# EAGLE board working (EAGLE 7.5.0), part 7 of 8
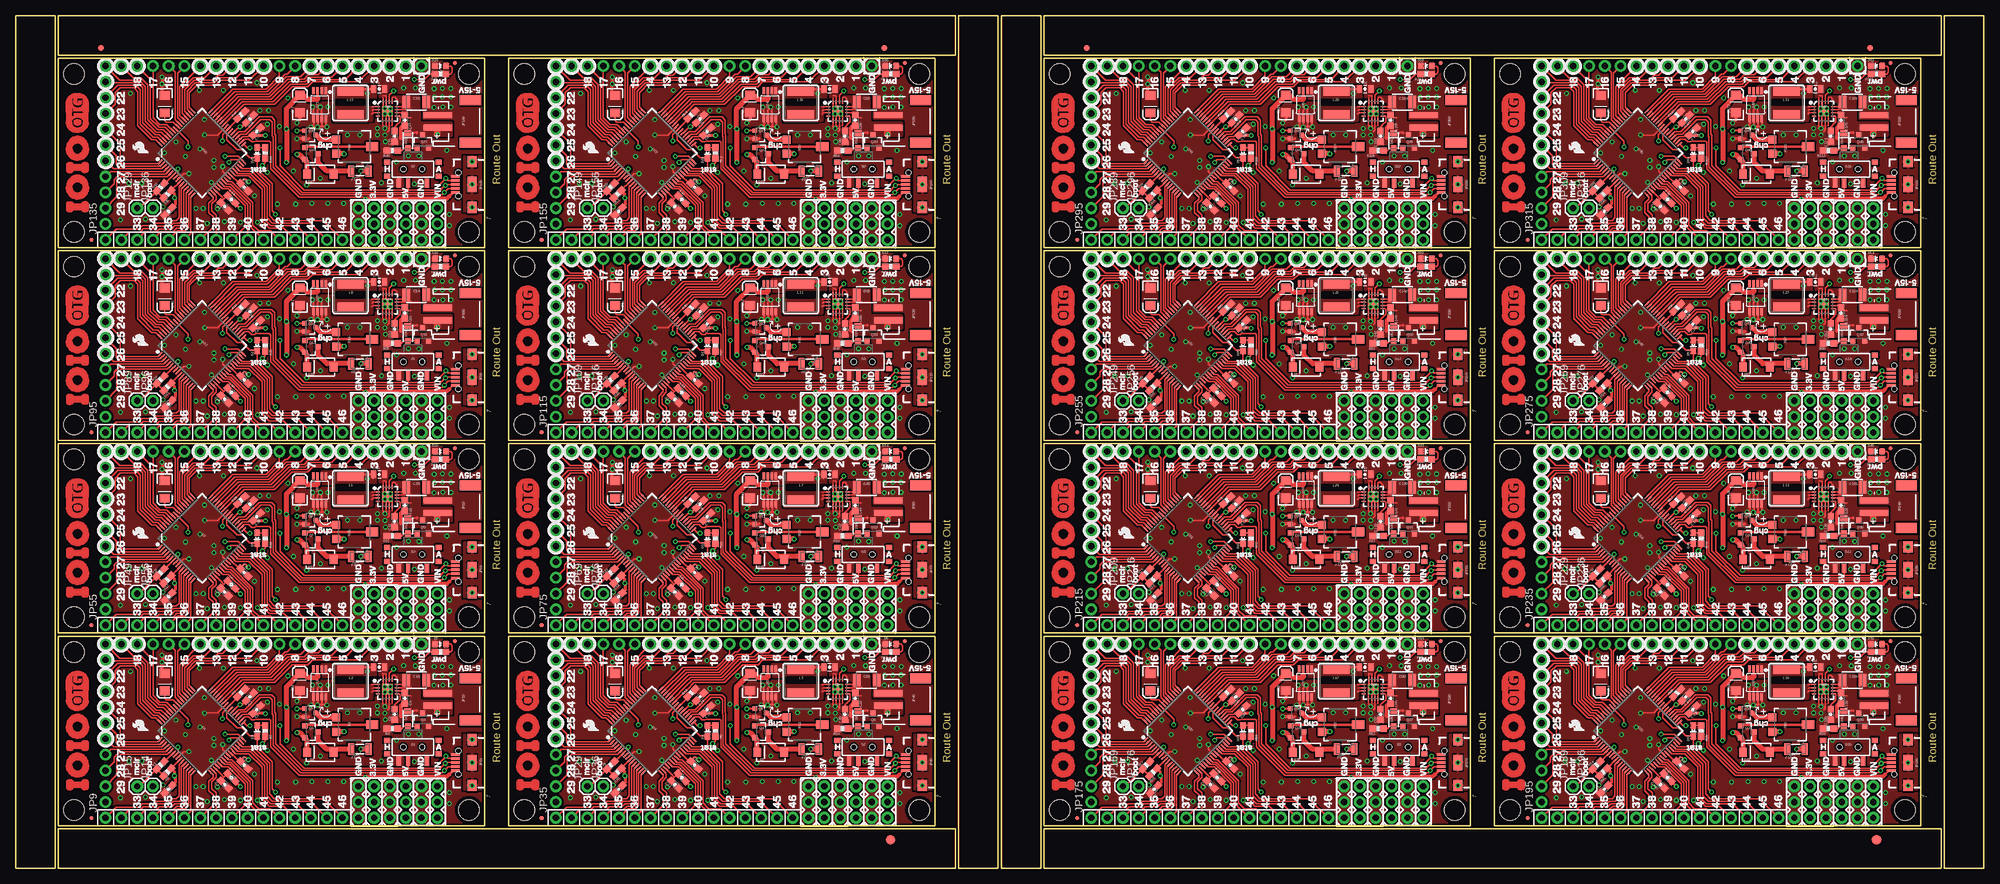
[diagram p0: board, top side]
## Tracks (layer width: path | path; a pad name or v marks a point on that pad's centre or on a via) (continued)
PIN377 (continued)
  Top 0.203: U25.12 185.17,16.32 185.17,11.12 184.86,10.82 183.82,10.82 183.36,10.36 181.33,10.36 180.87,9.9 179.05,9.9 178.53,9.38 176.77,9.38 JP171.15
PIN378
  Top 0.203: U25.13 185.55,15.99 185.55,10.69 185.27,10.41 184.11,10.41 183.58,9.89 181.56,9.89 181.1,9.42 179.35,9.42 JP171.14
PIN379
  Top 0.203: U25.14 185.93,15.67 185.93,10.36 185.57,10.01 184.41,10.01 183.81,9.41 181.87,9.41 JP171.13
PIN380
  Top 0.203: U25.15 186.31,15.34 186.31,10.13 185.78,9.6 184.61,9.6 JP171.12
PIN381
  Top 0.203: U25.16 186.69,15.02 186.69,9.14 JP171.11
PIN382
  Top 0.203: JP172.9 200.91,34.49 198.78,32.36 193.43,32.36 U25.48
PIN383  (via drill 0.38 pad 0.64)
  Top 0.203: U25.8 184.63,18.62 v184.63,19.53
  Bottom 0.203: JP175.1 177.29,14.99 181.36,14.99 184.63,18.26 v184.63,19.53
PIN384
  Top 0.203: 183.51,18.92 U25.6 182.92,18.31 175.49,18.31 174.8,17.63 174.8,15.04 JP175.2
PIN385
  Top 0.203: JP175.3 174.4,17.17 174.4,17.83 175.28,18.72 182.62,18.72 U25.5
PIN386
  Top 0.203: U25.4 182.31,19.13 173.81,19.13 JP175.4
PIN387
  Top 0.203: U25.17 190.25,15.02 190.25,14.68 189.59,14.02 189.59,12.5 190.25,11.84 190.25,10.16 JP171.10
PIN388
  Top 0.203: U25.18 190.63,15.34 190.73,15.24 190.73,14.61 190.07,13.95 190.07,12.8 190.75,12.12 JP171.9
PIN389
  Top 0.203: U25.22 192.1,16.7 192.9,16.7 195.83,13.77 JP171.7
PIN390
  Top 0.203: U25.27 193.93,18.41 196.01,18.41 198.12,16.31 198.12,11.18 199.29,10.01 201.57,10.01 JP171.4
PIN391
  Top 0.203: U25.28 194.25,18.8 196.24,18.8 198.53,16.51 198.53,11.38 199.49,10.41 203.71,10.41 JP171.3
PIN392
  Top 0.203: U25.30 194.9,19.56 196.7,19.56 199.34,16.92 199.34,11.99 200.1,11.23 207.97,11.23 JP171.1
PIN393
  Top 0.203: 190.25,28.47 U25.47 193.73,31.95 198.98,31.95 201.83,34.8 202.18,34.8 JP172.8
PIN394
  Top 0.203: U25.59 182.53,26.26 181.55,26.26 180.19,27.63 180.19,33.93 JP172.18
PIN395
  Top 0.203: U25.58 182.84,26.67 181.71,26.67 180.59,27.79 JP172.17
PIN396
  Top 0.203: U25.3 182.01,19.53 174.27,19.53 JP175.5
PIN397
  Top 0.203: U25.2 181.71,19.94 175.03,19.94 174.7,20.27 174.7,21.64 JP175.6
PIN398
  Top 0.203: JP175.7 175.31,23.57 175.31,20.68 175.62,20.37 181.44,20.37 U25.1
PIN399
  Top 0.203: U25.64 181.03,24.23 180.41,24.23 178.16,26.49 178.16,31.95 177.55,32.56 175.31,32.56 174.5,31.75 174.5,29.97 JP175.8
PIN400
  Top 0.203: U25.63 181.33,24.64 180.65,24.64 178.56,26.73 178.56,32.26 177.85,32.97 174.96,32.97 JP175.9
PIN401
  Top 0.203: U25.62 181.63,25.04 180.92,25.04 178.97,27 178.97,32.56 178.16,33.38 173.13,33.38 JP175.10
PIN402
  Top 0.203: U25.61 181.93,25.45 181.12,25.45 179.38,27.2 179.38,32.78 178.37,33.78 175.26,33.78 JP175.11
PIN403
  Top 0.203: U25.60 182.23,25.86 181.36,25.86 179.78,27.44 179.78,33.04 178.63,34.19 177.39,34.19 JP172.19
PIN404
  Top 0.203: JP172.6 207.14,34.67 205.56,34.67 204.88,33.98 202.24,33.98 199.39,31.14 194.33,31.14 U25.45
PIN405
  Top 0.203: JP172.5 209.3,34.29 205.79,34.29 205.08,33.58 202.47,33.58 199.63,30.73 194.63,30.73 193.87,29.97 U25.44
PIN406
  Top 0.203: JP172.4 211.46,33.91 206.02,33.91 205.28,33.17 202.74,33.17 199.9,30.33 194.92,30.33 194.52,29.93 194.52,29.92 194.19,29.59 U25.43
PIN407
  Top 0.203: JP172.3 213.61,33.53 206.25,33.53 205.49,32.77 202.97,32.77 200.13,29.92 195.22,29.92 194.82,29.52 194.52,29.21 U25.42
PIN408
  Top 0.203: U25.55 184.15,27.48 184.15,35.05 JP172.16
PIN409
  Top 0.203: U25.54 184.53,27.8 184.53,34.92 JP172.15
PIN410
  Top 0.203: U25.53 184.91,28.13 184.91,32.77 JP172.14
PIN411
  Top 0.203: U25.51 185.67,28.78 185.67,32.24 187.22,33.78 190.25,33.78 191.06,34.59 191.82,34.59 JP172.12
PIN412
  Top 0.203: U25.50 186.06,29.11 186.06,32.03 187.4,33.38 190.45,33.38 191.26,34.19 193.95,34.19 JP172.11
PIN413
  Top 0.203: U25.49 186.44,29.43 186.44,31.81 186.99,32.36 187,32.36 187.6,32.97 190.65,32.97 191.47,33.78 196.09,33.78 JP172.10
PIN414
  Top 0.203: JP172.7 204.32,34.39 202.03,34.39 199.19,31.55 194.03,31.55 U25.46
PIN415  (via drill 0.38 pad 0.64)
  Top 0.203: U28.32 266.69,21.57 v264.57,21.57
  Bottom 0.203: v264.57,21.57 263.58,21.57 262.53,22.61 262.53,24.56 272.78,34.81 289.82,34.81 JP192.2
PIN416  (via drill 0.38 pad 0.64)
  Top 0.203: U28.31 266.57,20.98 265.56,20.98 v265.18,20.6
  Bottom 0.203: v265.18,20.6 265.58,21.01 265.58,21.89 265.18,22.3 263.45,22.3 262.94,22.81 262.94,24.33 273.04,34.43 291.98,34.43 JP192.1
PIN417
  Top 0.203: U28.52 257.68,28.45 257.68,32.44 259.43,34.19 261.26,34.19 JP192.13
PIN418
  Top 0.203: U28.29 266.96,19.18 268.86,19.18 271.32,16.71 271.32,11.68 272.19,10.82 278.23,10.82 JP191.2
PIN419
  Top 0.203: U28.24 265.14,17.46 265.65,17.46 269.04,14.07 269.04,10.52 269.95,9.6 271.83,9.6 JP191.5
PIN420
  Top 0.203: U28.23 264.81,17.08 265.47,17.08 268.63,13.92 268.63,10.26 JP191.6
PIN421
  Top 0.203: U28.21 264.16,16.32 265.11,16.32 267.82,13.61 267.82,10.26 JP191.8
PIN422
  Top 0.203: U28.11 257.18,16.65 257.18,11.66 256.74,11.23 255.95,11.23 255.54,10.81 253.5,10.81 253.05,10.37 251.21,10.37 250.69,9.85 247.08,9.85 JP191.16
PIN423
  Top 0.203: U28.12 257.56,16.32 257.56,11.12 257.25,10.82 256.21,10.82 255.75,10.36 253.72,10.36 253.26,9.9 251.44,9.9 250.92,9.38 249.16,9.38 JP191.15
PIN424
  Top 0.203: U28.13 257.94,15.99 257.94,10.69 257.66,10.41 256.5,10.41 255.97,9.89 253.95,9.89 253.49,9.42 251.74,9.42 JP191.14
PIN425
  Top 0.203: U28.14 258.32,15.67 258.32,10.36 257.96,10.01 256.8,10.01 256.2,9.41 254.26,9.41 JP191.13
PIN426
  Top 0.203: U28.15 258.7,15.34 258.7,10.13 258.17,9.6 257,9.6 JP191.12
PIN427
  Top 0.203: U28.16 259.08,15.02 259.08,9.14 JP191.11
PIN428
  Top 0.203: JP192.9 273.3,34.49 271.17,32.36 265.82,32.36 U28.48
PIN429  (via drill 0.38 pad 0.64)
  Top 0.203: U28.8 257.02,18.62 v257.02,19.53
  Bottom 0.203: JP195.1 249.68,14.99 253.75,14.99 257.02,18.26 v257.02,19.53
PIN430
  Top 0.203: 255.9,18.92 U28.6 255.31,18.31 247.88,18.31 247.19,17.63 247.19,15.04 JP195.2
PIN431
  Top 0.203: JP195.3 246.79,17.17 246.79,17.83 247.68,18.72 255,18.72 U28.5
PIN432
  Top 0.203: U28.4 254.7,19.13 246.2,19.13 JP195.4
PIN433
  Top 0.203: U28.17 262.64,15.02 262.64,14.68 261.98,14.02 261.98,12.5 262.64,11.84 262.64,10.16 JP191.10
PIN434
  Top 0.203: U28.18 263.02,15.34 263.12,15.24 263.12,14.61 262.46,13.95 262.46,12.8 263.14,12.12 JP191.9
PIN435
  Top 0.203: U28.22 264.49,16.7 265.29,16.7 268.22,13.77 JP191.7
PIN436
  Top 0.203: U28.27 266.32,18.41 268.4,18.41 270.51,16.31 270.51,11.18 271.68,10.01 273.96,10.01 JP191.4
PIN437
  Top 0.203: U28.28 266.63,18.8 268.63,18.8 270.92,16.51 270.92,11.38 271.88,10.41 276.1,10.41 JP191.3
PIN438
  Top 0.203: U28.30 267.29,19.56 269.09,19.56 271.73,16.92 271.73,11.99 272.49,11.23 280.37,11.23 JP191.1
PIN439
  Top 0.203: 262.64,28.47 U28.47 266.12,31.95 271.37,31.95 274.22,34.8 274.57,34.8 JP192.8
PIN440
  Top 0.203: U28.59 254.93,26.26 253.94,26.26 252.58,27.63 252.58,33.93 JP192.18
PIN441
  Top 0.203: U28.58 255.22,26.67 254.1,26.67 252.98,27.79 JP192.17
PIN442
  Top 0.203: U28.3 254.4,19.53 246.66,19.53 JP195.5
PIN443
  Top 0.203: U28.2 254.1,19.94 247.42,19.94 247.09,20.27 247.09,21.64 JP195.6
PIN444
  Top 0.203: JP195.7 247.7,23.57 247.7,20.68 248.01,20.37 253.83,20.37 U28.1
PIN445
  Top 0.203: U28.64 253.42,24.23 252.8,24.23 250.55,26.49 250.55,31.95 249.94,32.56 247.7,32.56 246.89,31.75 246.89,29.97 JP195.8
PIN446
  Top 0.203: U28.63 253.72,24.64 253.04,24.64 250.95,26.73 250.95,32.26 250.24,32.97 247.34,32.97 JP195.9
PIN447
  Top 0.203: U28.62 254.02,25.04 253.31,25.04 251.36,27 251.36,32.56 250.55,33.38 245.52,33.38 JP195.10
PIN448
  Top 0.203: U28.61 254.32,25.45 253.51,25.45 251.76,27.2 251.76,32.78 250.76,33.78 247.65,33.78 JP195.11
PIN449
  Top 0.203: U28.60 254.62,25.86 253.75,25.86 252.17,27.44 252.17,33.04 251.02,34.19 249.78,34.19 JP192.19
PIN450
  Top 0.203: JP192.6 279.53,34.67 277.95,34.67 277.27,33.98 274.62,33.98 271.78,31.14 266.72,31.14 U28.45
PIN451
  Top 0.203: JP192.5 281.69,34.29 278.18,34.29 277.47,33.58 274.86,33.58 272.02,30.73 267.02,30.73 266.26,29.97 U28.44
PIN452
  Top 0.203: JP192.4 283.85,33.91 278.41,33.91 277.67,33.17 275.13,33.17 272.29,30.33 267.31,30.33 266.91,29.93 266.91,29.92 266.58,29.59 U28.43
PIN453
  Top 0.203: JP192.3 286,33.53 278.64,33.53 277.88,32.77 275.37,32.77 272.52,29.92 267.61,29.92 267.21,29.52 266.91,29.21 U28.42
PIN454
  Top 0.203: U28.55 256.54,27.48 256.54,35.05 JP192.16
PIN455
  Top 0.203: U28.54 256.92,27.8 256.92,34.92 JP192.15
PIN456
  Top 0.203: U28.53 257.3,28.13 257.3,32.77 JP192.14
PIN457
  Top 0.203: U28.51 258.06,28.78 258.06,32.24 259.61,33.78 262.64,33.78 263.45,34.59 264.21,34.59 JP192.12
PIN458
  Top 0.203: U28.50 258.44,29.11 258.44,32.03 259.79,33.38 262.84,33.38 263.65,34.19 266.34,34.19 JP192.11
PIN459
  Top 0.203: U28.49 258.83,29.43 258.83,31.81 259.38,32.36 259.99,32.97 263.04,32.97 263.86,33.78 268.48,33.78 JP192.10
PIN460
  Top 0.203: JP192.7 276.71,34.39 274.42,34.39 271.58,31.55 266.42,31.55 U28.46
PIN461  (via drill 0.38 pad 0.64)
  Top 0.203: U31.32 194.31,52.55 v192.18,52.55
  Bottom 0.203: v192.18,52.55 191.19,52.55 190.14,53.59 190.14,55.55 200.39,65.8 217.43,65.8 JP212.2
PIN462  (via drill 0.38 pad 0.64)
  Top 0.203: U31.31 194.18,51.97 193.17,51.97 v192.79,51.59
  Bottom 0.203: v192.79,51.59 193.19,51.99 193.19,52.88 192.79,53.29 191.06,53.29 190.55,53.8 190.55,55.32 200.65,65.42 219.59,65.42 JP212.1
PIN463
  Top 0.203: U31.52 185.29,59.44 185.29,63.43 187.04,65.18 188.87,65.18 JP212.13
PIN464
  Top 0.203: U31.29 194.57,50.16 196.47,50.16 198.93,47.7 198.93,42.67 199.8,41.81 205.84,41.81 JP211.2
PIN465
  Top 0.203: U31.24 192.75,48.45 193.26,48.45 196.65,45.06 196.65,41.5 197.56,40.59 199.44,40.59 JP211.5
PIN466
  Top 0.203: U31.23 192.42,48.07 193.08,48.07 196.24,44.91 196.24,41.25 JP211.6
PIN467
  Top 0.203: U31.21 191.77,47.31 192.72,47.31 195.43,44.6 195.43,41.25 JP211.8
PIN468
  Top 0.203: U31.11 184.78,47.63 184.78,42.65 184.35,42.22 183.56,42.22 183.15,41.8 181.1,41.8 180.66,41.36 178.82,41.36 178.3,40.83 174.69,40.83 JP211.16
PIN469
  Top 0.203: U31.12 185.17,47.31 185.17,42.11 184.86,41.81 183.82,41.81 183.36,41.35 181.33,41.35 180.87,40.89 179.05,40.89 178.53,40.37 176.77,40.37 JP211.15
PIN470
  Top 0.203: U31.13 185.55,46.98 185.55,41.68 185.27,41.4 184.11,41.4 183.58,40.87 181.56,40.87 181.1,40.41 179.35,40.41 JP211.14
PIN471
  Top 0.203: U31.14 185.93,46.66 185.93,41.35 185.57,41 184.41,41 183.81,40.4 181.87,40.4 JP211.13
PIN472
  Top 0.203: U31.15 186.31,46.33 186.31,41.12 185.78,40.59 184.61,40.59 JP211.12
PIN473
  Top 0.203: U31.16 186.69,46.01 186.69,40.13 JP211.11
PIN474
  Top 0.203: JP212.9 200.91,65.48 198.78,63.35 193.43,63.35 U31.48
PIN475  (via drill 0.38 pad 0.64)
  Top 0.203: U31.8 184.63,49.6 v184.63,50.52
  Bottom 0.203: JP215.1 177.29,45.97 181.36,45.97 184.63,49.25 v184.63,50.52
PIN476
  Top 0.203: 183.51,49.9 U31.6 182.92,49.3 175.49,49.3 174.8,48.62 174.8,46.02 JP215.2
PIN477
  Top 0.203: JP215.3 174.4,48.16 174.4,48.82 175.28,49.71 182.62,49.71 U31.5
PIN478
  Top 0.203: U31.4 182.31,50.11 173.81,50.11 JP215.4
PIN479
  Top 0.203: U31.17 190.25,46.01 190.25,45.67 189.59,45.01 189.59,43.48 190.25,42.82 190.25,41.15 JP211.10
PIN480
  Top 0.203: U31.18 190.63,46.33 190.73,46.23 190.73,45.59 190.07,44.93 190.07,43.79 190.75,43.1 JP211.9
PIN481
  Top 0.203: U31.22 192.1,47.69 192.9,47.69 195.83,44.76 JP211.7
PIN482
  Top 0.203: U31.27 193.93,49.4 196.01,49.4 198.12,47.3 198.12,42.16 199.29,41 201.57,41 JP211.4
PIN483
  Top 0.203: U31.28 194.25,49.78 196.24,49.78 198.53,47.5 198.53,42.37 199.49,41.4 203.71,41.4 JP211.3
PIN484
  Top 0.203: U31.30 194.9,50.55 196.7,50.55 199.34,47.9 199.34,42.98 200.1,42.22 207.97,42.22 JP211.1
PIN485
  Top 0.203: U31.47 193.73,62.94 198.98,62.94 201.83,65.79 202.18,65.79 JP212.8
PIN486
  Top 0.203: U31.59 182.53,57.25 181.55,57.25 180.19,58.62 180.19,64.92 JP212.18
PIN487
  Top 0.203: U31.58 182.84,57.66 181.71,57.66 180.59,58.78 JP212.17
PIN488
  Top 0.203: U31.3 182.01,50.52 174.27,50.52 JP215.5
PIN489
  Top 0.203: U31.2 181.71,50.93 175.03,50.93 174.7,51.26 174.7,52.63 JP215.6
PIN490
  Top 0.203: JP215.7 175.31,54.56 175.31,51.66 175.62,51.36 181.44,51.36 U31.1
PIN491
  Top 0.203: U31.64 181.03,55.22 180.41,55.22 178.16,57.48 178.16,62.94 177.55,63.55 175.31,63.55 174.5,62.74 174.5,60.96 JP215.8
PIN492
  Top 0.203: U31.63 181.33,55.63 180.65,55.63 178.56,57.72 178.56,63.25 177.85,63.96 174.96,63.96 JP215.9
PIN493
  Top 0.203: U31.62 181.63,56.03 180.92,56.03 178.97,57.99 178.97,63.55 178.16,64.36 173.13,64.36 JP215.10
PIN494
  Top 0.203: U31.61 181.93,56.44 181.12,56.44 179.38,58.19 179.38,63.76 178.37,64.77 175.26,64.77 JP215.11
PIN495
  Top 0.203: U31.60 182.23,56.84 181.36,56.84 179.78,58.43 179.78,64.03 178.63,65.18 177.39,65.18 JP212.19
PIN496
  Top 0.203: JP212.6 207.14,65.66 205.56,65.66 204.88,64.97 202.24,64.97 199.39,62.13 194.33,62.13 U31.45
PIN497
  Top 0.203: JP212.5 209.3,65.28 205.79,65.28 205.08,64.57 202.47,64.57 199.63,61.72 194.63,61.72 193.87,60.96 U31.44
PIN498
  Top 0.203: JP212.4 211.46,64.9 206.02,64.9 205.28,64.16 202.74,64.16 199.9,61.32 194.92,61.32 194.52,60.92 194.52,60.91 194.19,60.58 U31.43
PIN499
  Top 0.203: JP212.3 213.61,64.52 206.25,64.52 205.49,63.75 202.97,63.75 200.13,60.91 195.22,60.91 194.82,60.51 194.82,60.5 194.52,60.2 U31.42
PIN500
  Top 0.203: U31.55 184.15,58.47 184.15,66.04 JP212.16
PIN501
  Top 0.203: U31.54 184.53,58.79 184.53,65.91 JP212.15
PIN502
  Top 0.203: U31.53 184.91,59.12 184.91,63.75 JP212.14
PIN503
  Top 0.203: U31.51 185.67,59.77 185.67,63.22 187.22,64.77 190.25,64.77 191.06,65.58 191.82,65.58 JP212.12
PIN504
  Top 0.203: U31.50 186.06,60.09 186.06,63.02 187.4,64.36 190.45,64.36 191.26,65.18 193.95,65.18 JP212.11
PIN505
  Top 0.203: U31.49 186.44,60.42 186.44,62.8 186.99,63.35 187,63.35 187.6,63.96 190.65,63.96 191.47,64.77 196.09,64.77 JP212.10
PIN506
  Top 0.203: JP212.7 204.32,65.38 202.03,65.38 199.19,62.53 194.03,62.53 U31.46
PIN507  (via drill 0.38 pad 0.64)
  Top 0.203: U34.32 266.69,52.55 v264.57,52.55
  Bottom 0.203: v264.57,52.55 263.58,52.55 262.53,53.59 262.53,55.55 272.78,65.8 289.82,65.8 JP232.2
PIN508  (via drill 0.38 pad 0.64)
  Top 0.203: U34.31 266.57,51.97 265.56,51.97 v265.18,51.59
  Bottom 0.203: v265.18,51.59 265.58,51.99 265.58,52.88 265.18,53.29 263.45,53.29 262.94,53.8 262.94,55.32 273.04,65.42 291.98,65.42 JP232.1
PIN509
  Top 0.203: U34.52 257.68,59.44 257.68,63.43 259.43,65.18 261.26,65.18 JP232.13
PIN510
  Top 0.203: U34.29 266.96,50.16 268.86,50.16 271.32,47.7 271.32,42.67 272.19,41.81 278.23,41.81 JP231.2
PIN511
  Top 0.203: U34.24 265.14,48.45 265.65,48.45 269.04,45.06 269.04,41.5 269.95,40.59 271.83,40.59 JP231.5
PIN512
  Top 0.203: U34.23 264.81,48.07 265.47,48.07 268.63,44.91 268.63,41.25 JP231.6
PIN513
  Top 0.203: U34.21 264.16,47.31 265.11,47.31 267.82,44.6 267.82,41.25 JP231.8
PIN514
  Top 0.203: U34.11 257.18,47.63 257.18,42.65 256.74,42.22 255.95,42.22 255.54,41.8 253.5,41.8 253.05,41.36 251.21,41.36 250.69,40.83 247.08,40.83 JP231.16
PIN515
  Top 0.203: U34.12 257.56,47.31 257.56,42.11 257.25,41.81 256.21,41.81 255.75,41.35 253.72,41.35 253.26,40.89 251.44,40.89 250.92,40.37 249.16,40.37 JP231.15
PIN516
  Top 0.203: U34.13 257.94,46.98 257.94,41.68 257.66,41.4 256.5,41.4 255.97,40.87 253.95,40.87 253.49,40.41 251.74,40.41 JP231.14
PIN517
  Top 0.203: U34.14 258.32,46.66 258.32,41.35 257.96,41 256.8,41 256.2,40.4 254.26,40.4 JP231.13
PIN518
  Top 0.203: U34.15 258.7,46.33 258.7,41.12 258.17,40.59 257,40.59 JP231.12
PIN519
  Top 0.203: U34.16 259.08,46.01 259.08,40.13 JP231.11
PIN520
  Top 0.203: JP232.9 273.3,65.48 271.17,63.35 265.82,63.35 U34.48
PIN521  (via drill 0.38 pad 0.64)
  Top 0.203: U34.8 257.02,49.6 v257.02,50.52
  Bottom 0.203: JP235.1 249.68,45.97 253.75,45.97 257.02,49.25 v257.02,50.52
PIN522
  Top 0.203: 255.9,49.9 U34.6 255.31,49.3 247.88,49.3 247.19,48.62 247.19,46.02 JP235.2
PIN523
  Top 0.203: JP235.3 246.79,48.16 246.79,48.82 247.68,49.71 255,49.71 U34.5
PIN524
  Top 0.203: U34.4 254.7,50.11 246.2,50.11 JP235.4
PIN525
  Top 0.203: U34.17 262.64,46.01 262.64,45.67 261.98,45.01 261.98,43.48 262.64,42.82 262.64,41.15 JP231.10
PIN526
  Top 0.203: U34.18 263.02,46.33 263.12,46.23 263.12,45.59 262.46,44.93 262.46,43.79 263.14,43.1 JP231.9
PIN527
  Top 0.203: U34.22 264.49,47.69 265.29,47.69 268.22,44.76 JP231.7
PIN528
  Top 0.203: U34.27 266.32,49.4 268.4,49.4 270.51,47.3 270.51,42.16 271.68,41 273.96,41 JP231.4
PIN529
  Top 0.203: U34.28 266.63,49.78 268.63,49.78 270.92,47.5 270.92,42.37 271.88,41.4 276.1,41.4 JP231.3
PIN530
  Top 0.203: U34.30 267.29,50.55 269.09,50.55 271.73,47.9 271.73,42.98 272.49,42.22 280.37,42.22 JP231.1
PIN531
  Top 0.203: U34.47 266.12,62.94 271.37,62.94 274.22,65.79 274.57,65.79 JP232.8
PIN532
  Top 0.203: U34.59 254.93,57.25 253.94,57.25 252.58,58.62 252.58,64.92 JP232.18
PIN533
  Top 0.203: U34.58 255.22,57.66 254.1,57.66 252.98,58.78 JP232.17
PIN534
  Top 0.203: U34.3 254.4,50.52 246.66,50.52 JP235.5
PIN535
  Top 0.203: U34.2 254.1,50.93 247.42,50.93 247.09,51.26 247.09,52.63 JP235.6
PIN536
  Top 0.203: JP235.7 247.7,54.56 247.7,51.66 248.01,51.36 253.83,51.36 U34.1
PIN537
  Top 0.203: U34.64 253.42,55.22 252.8,55.22 250.55,57.48 250.55,62.94 249.94,63.55 247.7,63.55 246.89,62.74 246.89,60.96 JP235.8
PIN538
  Top 0.203: U34.63 253.72,55.63 253.04,55.63 250.95,57.72 250.95,63.25 250.24,63.96 247.34,63.96 JP235.9
PIN539
  Top 0.203: U34.62 254.02,56.03 253.31,56.03 251.36,57.99 251.36,63.55 250.55,64.36 245.52,64.36 JP235.10
PIN540
  Top 0.203: U34.61 254.32,56.44 253.51,56.44 251.76,58.19 251.76,63.76 250.76,64.77 247.65,64.77 JP235.11
PIN541
  Top 0.203: U34.60 254.62,56.84 253.75,56.84 252.17,58.43 252.17,64.03 251.02,65.18 249.78,65.18 JP232.19
PIN542
  Top 0.203: JP232.6 279.53,65.66 277.95,65.66 277.27,64.97 274.62,64.97 271.78,62.13 266.72,62.13 U34.45
PIN543
  Top 0.203: JP232.5 281.69,65.28 278.18,65.28 277.47,64.57 274.86,64.57 272.02,61.72 267.02,61.72 266.26,60.96 U34.44
PIN544
  Top 0.203: JP232.4 283.85,64.9 278.41,64.9 277.67,64.16 275.13,64.16 272.29,61.32 267.31,61.32 266.91,60.92 266.91,60.91 266.58,60.58 U34.43
PIN545
  Top 0.203: JP232.3 286,64.52 278.64,64.52 277.88,63.75 275.37,63.75 272.52,60.91 267.61,60.91 267.21,60.51 267.21,60.5 266.91,60.2 U34.42
PIN546
  Top 0.203: U34.55 256.54,58.47 256.54,66.04 JP232.16
PIN547
  Top 0.203: U34.54 256.92,58.79 256.92,65.91 JP232.15
PIN548
  Top 0.203: U34.53 257.3,59.12 257.3,63.75 JP232.14
PIN549
  Top 0.203: U34.51 258.06,59.77 258.06,63.22 259.61,64.77 262.64,64.77 263.45,65.58 264.21,65.58 JP232.12
PIN550
  Top 0.203: U34.50 258.44,60.09 258.44,63.02 259.79,64.36 262.84,64.36 263.65,65.18 266.34,65.18 JP232.11
PIN551
  Top 0.203: U34.49 258.83,60.42 258.83,62.8 259.38,63.35 259.99,63.96 263.04,63.96 263.86,64.77 268.48,64.77 JP232.10
PIN552
  Top 0.203: JP232.7 276.71,65.38 274.42,65.38 271.58,62.53 266.42,62.53 U34.46
PIN553  (via drill 0.38 pad 0.64)
  Top 0.203: U37.32 194.31,83.54 v192.18,83.54
  Bottom 0.203: v192.18,83.54 191.19,83.54 190.14,84.58 190.14,86.54 200.39,96.78 217.43,96.78 JP252.2
PIN554  (via drill 0.38 pad 0.64)
  Top 0.203: U37.31 194.18,82.96 193.17,82.96 v192.79,82.58
  Bottom 0.203: v192.79,82.58 193.19,82.98 193.19,83.87 192.79,84.28 191.06,84.28 190.55,84.78 190.55,86.31 200.65,96.4 219.59,96.4 JP252.1
PIN555
  Top 0.203: U37.52 185.29,90.43 185.29,94.42 187.04,96.16 188.87,96.16 JP252.13
PIN556
  Top 0.203: U37.29 194.57,81.15 196.47,81.15 198.93,78.69 198.93,73.66 199.8,72.8 205.84,72.8 JP251.2
PIN557
  Top 0.203: U37.24 192.75,79.44 193.26,79.44 196.65,76.05 196.65,72.49 197.56,71.58 199.44,71.58 JP251.5
PIN558
  Top 0.203: U37.23 192.42,79.06 193.08,79.06 196.24,75.89 196.24,72.24 JP251.6
PIN559
  Top 0.203: U37.21 191.77,78.3 192.72,78.3 195.43,75.59 195.43,72.24 JP251.8
PIN560
  Top 0.203: U37.11 184.78,78.62 184.78,73.64 184.35,73.2 183.56,73.2 183.15,72.79 181.1,72.79 180.66,72.35 178.82,72.35 178.3,71.82 174.69,71.82 JP251.16
PIN561
  Top 0.203: U37.12 185.17,78.3 185.17,73.1 184.86,72.8 183.82,72.8 183.36,72.33 181.33,72.33 180.87,71.88 179.05,71.88 178.53,71.36 176.77,71.36 JP251.15
PIN562
  Top 0.203: U37.13 185.55,77.97 185.55,72.67 185.27,72.39 184.11,72.39 183.58,71.86 181.56,71.86 181.1,71.4 179.35,71.4 JP251.14
PIN563
  Top 0.203: U37.14 185.93,77.64 185.93,72.34 185.57,71.98 184.41,71.98 183.81,71.38 181.87,71.38 JP251.13
PIN564
  Top 0.203: U37.15 186.31,77.32 186.31,72.11 185.78,71.58 184.61,71.58 JP251.12
PIN565
  Top 0.203: U37.16 186.69,76.99 186.69,71.12 JP251.11
PIN566
  Top 0.203: JP252.9 200.91,96.47 198.78,94.34 193.43,94.34 U37.48
PIN567  (via drill 0.38 pad 0.64)
  Top 0.203: U37.8 184.63,80.59 v184.63,81.51
  Bottom 0.203: JP255.1 177.29,76.96 181.36,76.96 184.63,80.24 v184.63,81.51
PIN568
  Top 0.203: 183.51,80.89 U37.6 182.92,80.29 175.49,80.29 174.8,79.6 174.8,77.01 JP255.2
PIN569
  Top 0.203: JP255.3 174.4,79.15 174.4,79.81 175.28,80.7 182.62,80.7 U37.5
PIN570
  Top 0.203: U37.4 182.31,81.1 173.81,81.1 JP255.4
PIN571
  Top 0.203: U37.17 190.25,76.99 190.25,76.66 189.59,76 189.59,74.47 190.25,73.81 190.25,72.14 JP251.10
PIN572
  Top 0.203: U37.18 190.63,77.32 190.73,77.22 190.73,76.58 190.07,75.92 190.07,74.78 190.75,74.09 JP251.9
PIN573
  Top 0.203: U37.22 192.1,78.68 192.9,78.68 195.83,75.74 JP251.7
PIN574
  Top 0.203: U37.27 193.93,80.39 196.01,80.39 198.12,78.28 198.12,73.15 199.29,71.98 201.57,71.98 JP251.4
PIN575
  Top 0.203: U37.28 194.25,80.77 196.24,80.77 198.53,78.49 198.53,73.36 199.49,72.39 203.71,72.39 JP251.3
PIN576
  Top 0.203: U37.30 194.9,81.53 196.7,81.53 199.34,78.89 199.34,73.97 200.1,73.2 207.97,73.2 JP251.1
PIN577
  Top 0.203: U37.47 193.73,93.93 198.98,93.93 201.83,96.77 202.18,96.77 JP252.8
PIN578
  Top 0.203: U37.59 182.53,88.24 181.55,88.24 180.19,89.61 180.19,95.91 JP252.18
PIN579
  Top 0.203: U37.58 182.84,88.65 181.71,88.65 180.59,89.76 JP252.17
PIN580
  Top 0.203: U37.3 182.01,81.51 174.27,81.51 JP255.5
PIN581
  Top 0.203: U37.2 181.71,81.92 175.03,81.92 174.7,82.25 174.7,83.62 JP255.6
PIN582
  Top 0.203: JP255.7 175.31,85.55 175.31,82.65 175.62,82.35 181.44,82.35 U37.1
PIN583
  Top 0.203: U37.64 181.03,86.21 180.41,86.21 178.16,88.46 178.16,93.93 177.55,94.54 175.31,94.54 174.5,93.73 174.5,91.95 JP255.8
PIN584
  Top 0.203: U37.63 181.33,86.61 180.65,86.61 178.56,88.71 178.56,94.23 177.85,94.94 174.96,94.94 JP255.9
PIN585
  Top 0.203: U37.62 181.63,87.02 180.92,87.02 178.97,88.97 178.97,94.54 178.16,95.35 173.13,95.35 JP255.10
PIN586
  Top 0.203: U37.61 181.93,87.43 181.12,87.43 179.38,89.17 179.38,94.75 178.37,95.76 175.26,95.76 JP255.11
PIN587
  Top 0.203: U37.60 182.23,87.83 181.36,87.83 179.78,89.41 179.78,95.02 178.63,96.16 177.39,96.16 JP252.19
PIN588
  Top 0.203: JP252.6 207.14,96.65 205.56,96.65 204.88,95.96 202.24,95.96 199.39,93.12 194.33,93.12 U37.45
PIN589
  Top 0.203: JP252.5 209.3,96.27 205.79,96.27 205.08,95.56 202.47,95.56 199.63,92.71 194.63,92.71 193.87,91.95 U37.44
PIN590
  Top 0.203: JP252.4 211.46,95.89 206.02,95.89 205.28,95.15 202.74,95.15 199.9,92.3 194.92,92.3 194.52,91.91 194.52,91.9 194.19,91.57 U37.43
PIN591
  Top 0.203: JP252.3 213.61,95.5 206.25,95.5 205.49,94.74 202.97,94.74 200.13,91.9 195.22,91.9 194.82,91.5 194.82,91.49 194.52,91.19 U37.42
PIN592
  Top 0.203: U37.55 184.15,89.45 184.15,97.03 JP252.16
PIN593
  Top 0.203: U37.54 184.53,89.78 184.53,96.9 JP252.15
PIN594
  Top 0.203: U37.53 184.91,90.11 184.91,94.74 JP252.14
PIN595
  Top 0.203: U37.51 185.67,90.76 185.67,94.21 187.22,95.76 190.25,95.76 191.06,96.57 191.82,96.57 JP252.12
PIN596
  Top 0.203: U37.50 186.06,91.08 186.06,94 187.4,95.35 190.45,95.35 191.26,96.16 193.95,96.16 JP252.11
PIN597
  Top 0.203: U37.49 186.44,91.41 186.44,93.79 186.99,94.34 187,94.34 187.6,94.94 190.65,94.94 191.47,95.76 196.09,95.76 JP252.10
PIN598
  Top 0.203: JP252.7 204.32,96.37 202.03,96.37 199.19,93.52 194.03,93.52 U37.46
PIN599  (via drill 0.38 pad 0.64)
  Top 0.203: U40.32 266.69,83.54 v264.57,83.54
  Bottom 0.203: v264.57,83.54 263.58,83.54 262.53,84.58 262.53,86.54 272.78,96.78 289.82,96.78 JP272.2
PIN600  (via drill 0.38 pad 0.64)
  Top 0.203: U40.31 266.57,82.96 265.56,82.96 v265.18,82.58
  Bottom 0.203: v265.18,82.58 265.58,82.98 265.58,83.87 265.18,84.28 263.45,84.28 262.94,84.78 262.94,86.31 273.04,96.4 291.98,96.4 JP272.1
PIN601
  Top 0.203: U40.52 257.68,90.43 257.68,94.42 259.43,96.16 261.26,96.16 JP272.13
PIN602
  Top 0.203: U40.29 266.96,81.15 268.86,81.15 271.32,78.69 271.32,73.66 272.19,72.8 278.23,72.8 JP271.2
PIN603
  Top 0.203: U40.24 265.14,79.44 265.65,79.44 269.04,76.05 269.04,72.49 269.95,71.58 271.83,71.58 JP271.5
PIN604
  Top 0.203: U40.23 264.81,79.06 265.47,79.06 268.63,75.89 268.63,72.24 JP271.6
PIN605
  Top 0.203: U40.21 264.16,78.3 265.11,78.3 267.82,75.59 267.82,72.24 JP271.8
PIN606
  Top 0.203: U40.11 257.18,78.62 257.18,73.64 256.74,73.2 255.95,73.2 255.54,72.79 253.5,72.79 253.05,72.35 251.21,72.35 250.69,71.82 247.08,71.82 JP271.16
PIN607
  Top 0.203: U40.12 257.56,78.3 257.56,73.1 257.25,72.8 256.21,72.8 255.75,72.33 253.72,72.33 253.26,71.88 251.44,71.88 250.92,71.36 249.16,71.36 JP271.15